# Altium PCB MPPT-old.PcbDoc
Units mil, origin at the board's own origin, x right, y up, seen from the top; angles counter-clockwise.
Board outline 5875 x 4665 mil, 4 copper layers (PWR_GND, PWR, SIGNAL, SMALL_SIGNAL), stack 23.712 mil thick; 136 components, 91 nets, 478 pads, 0 vias.
Unrouted connection lines stored in the file: 276.
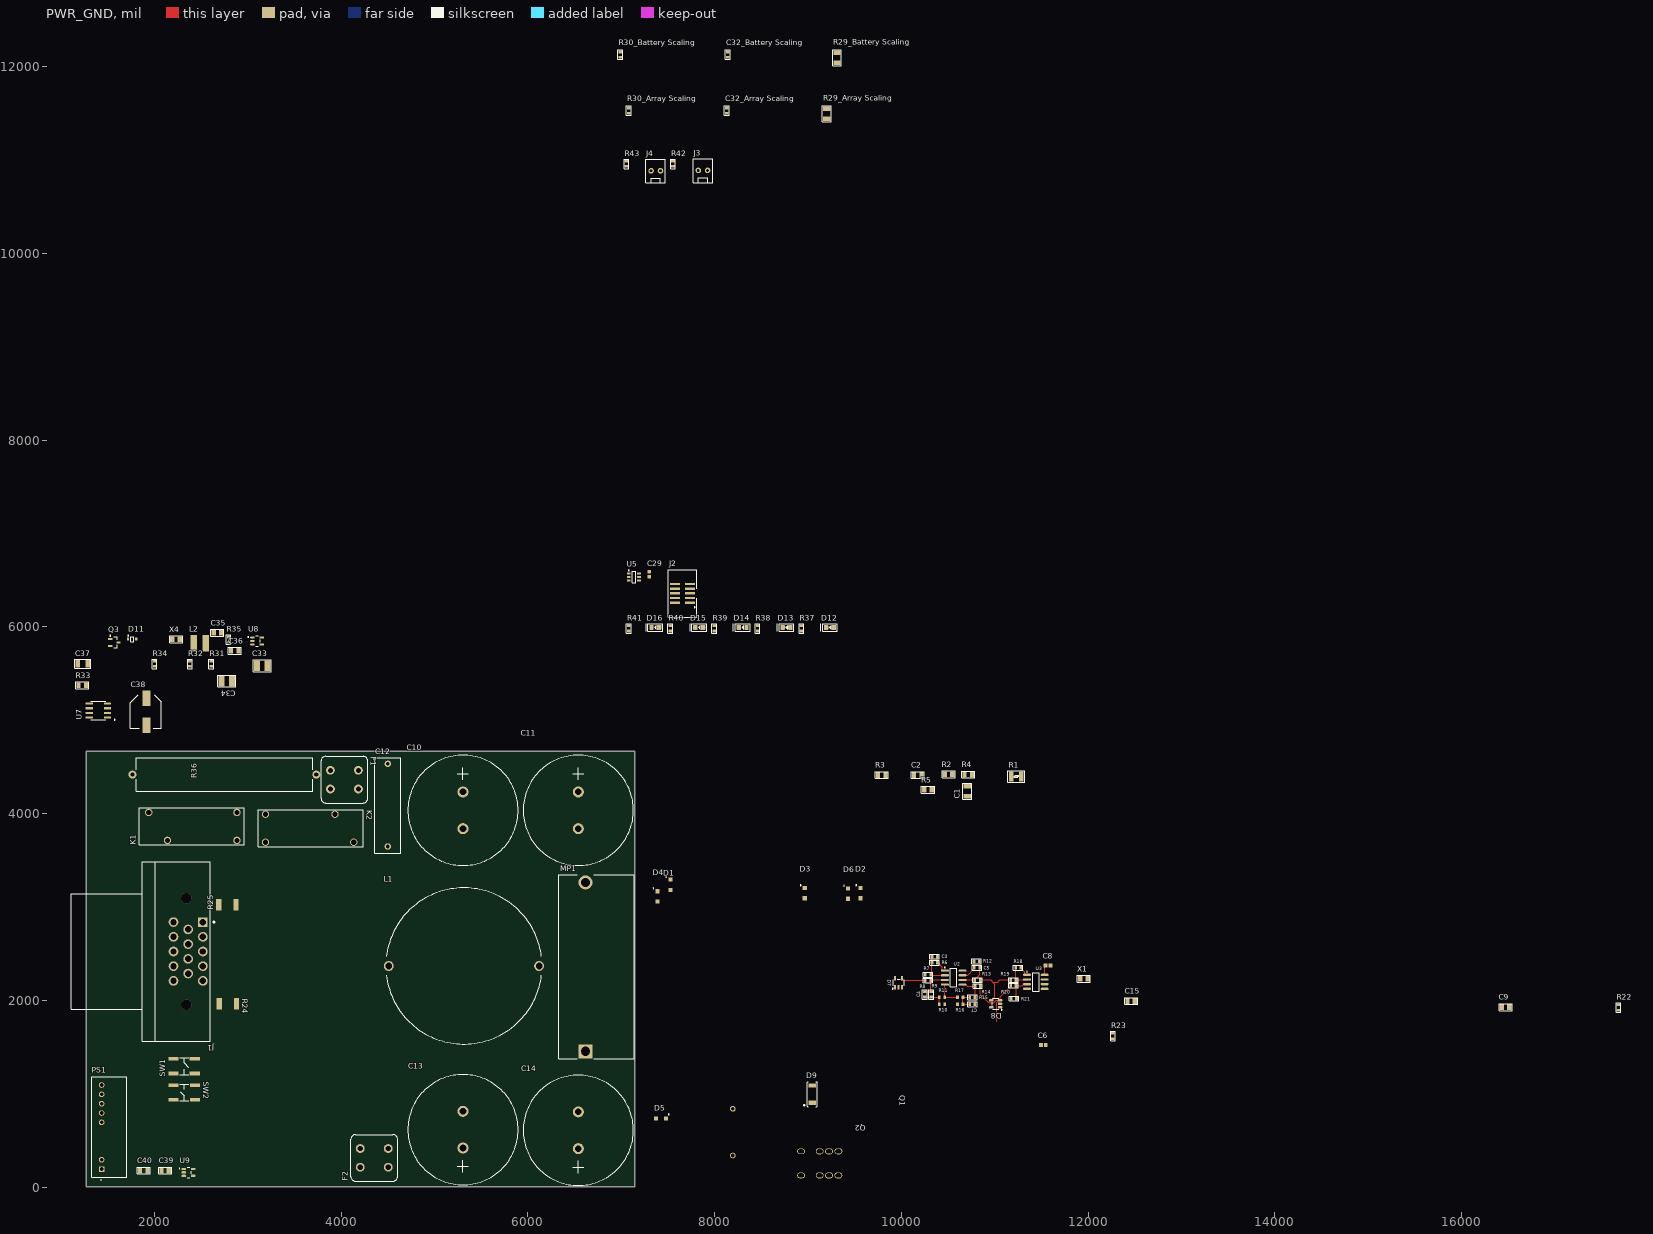
[diagram p0: PWR_GND view]
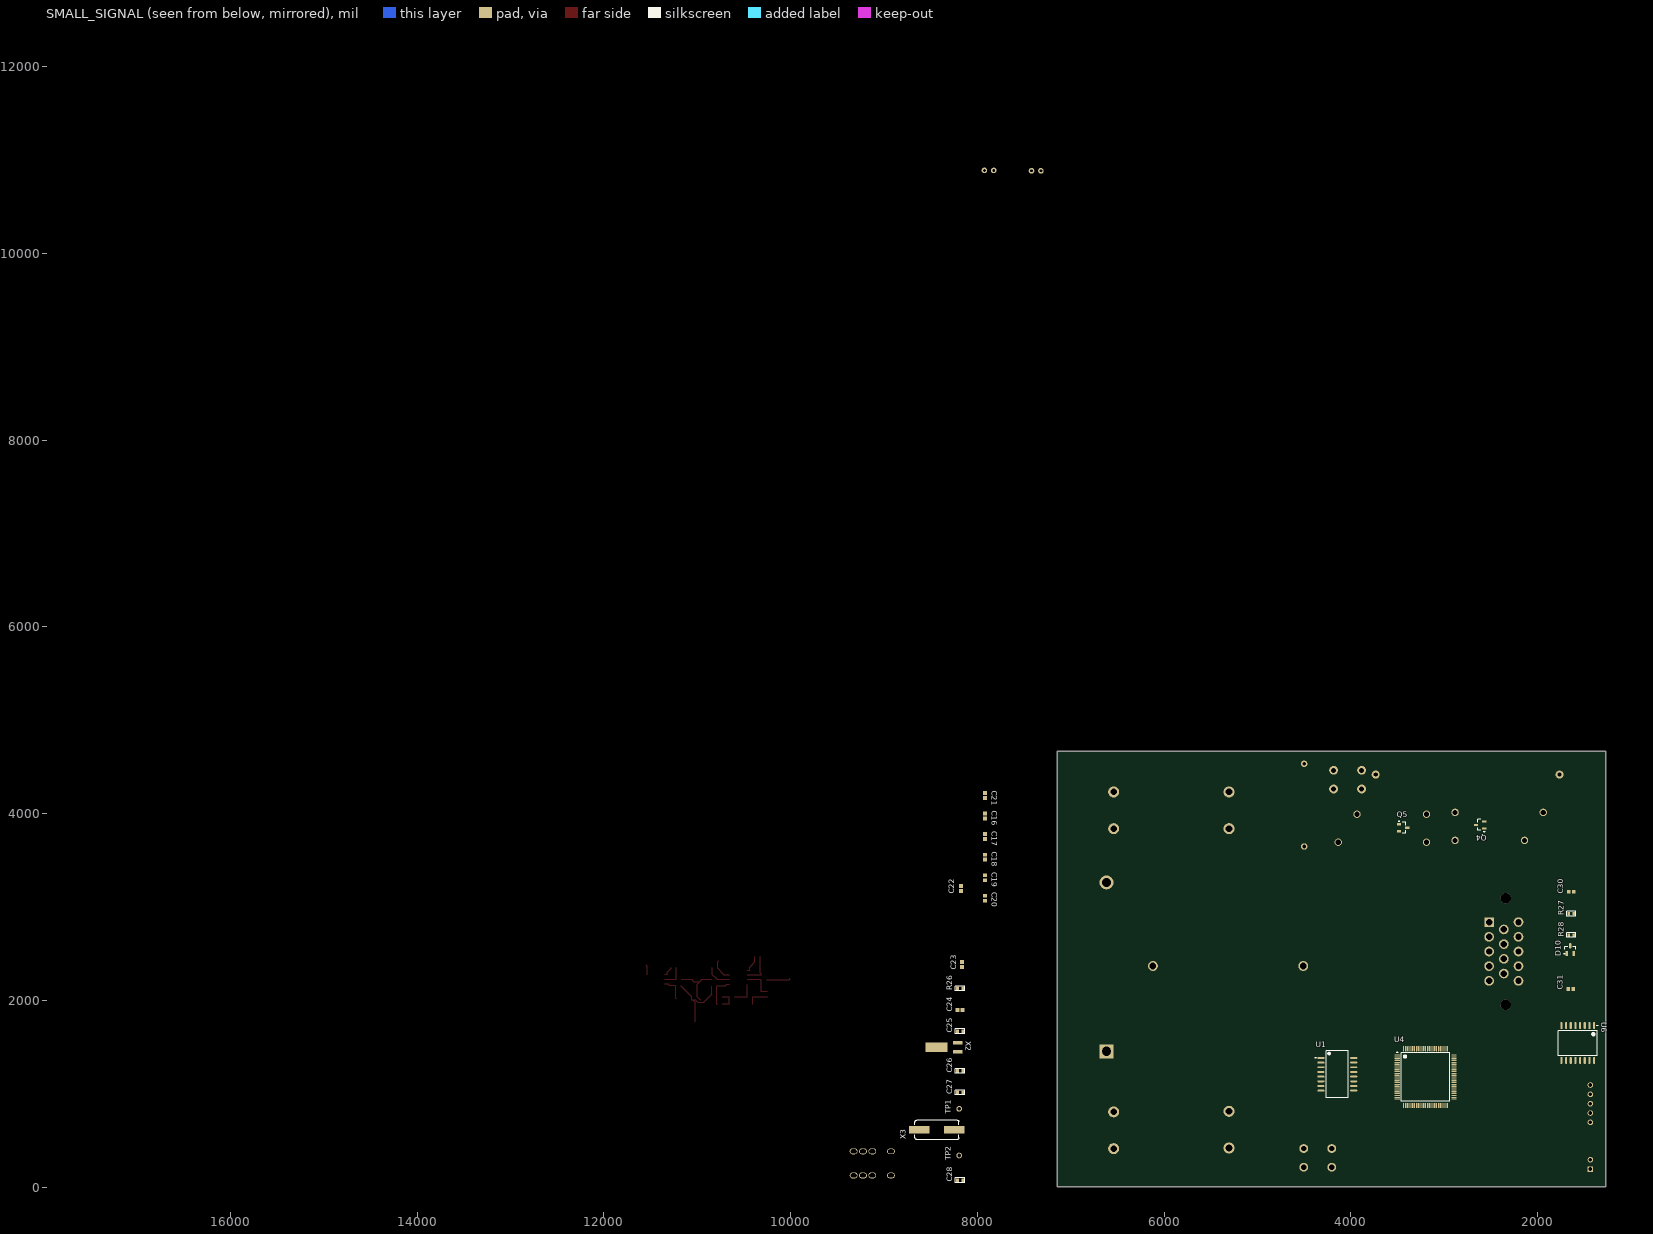
[diagram p1: SMALL_SIGNAL view, seen from below]
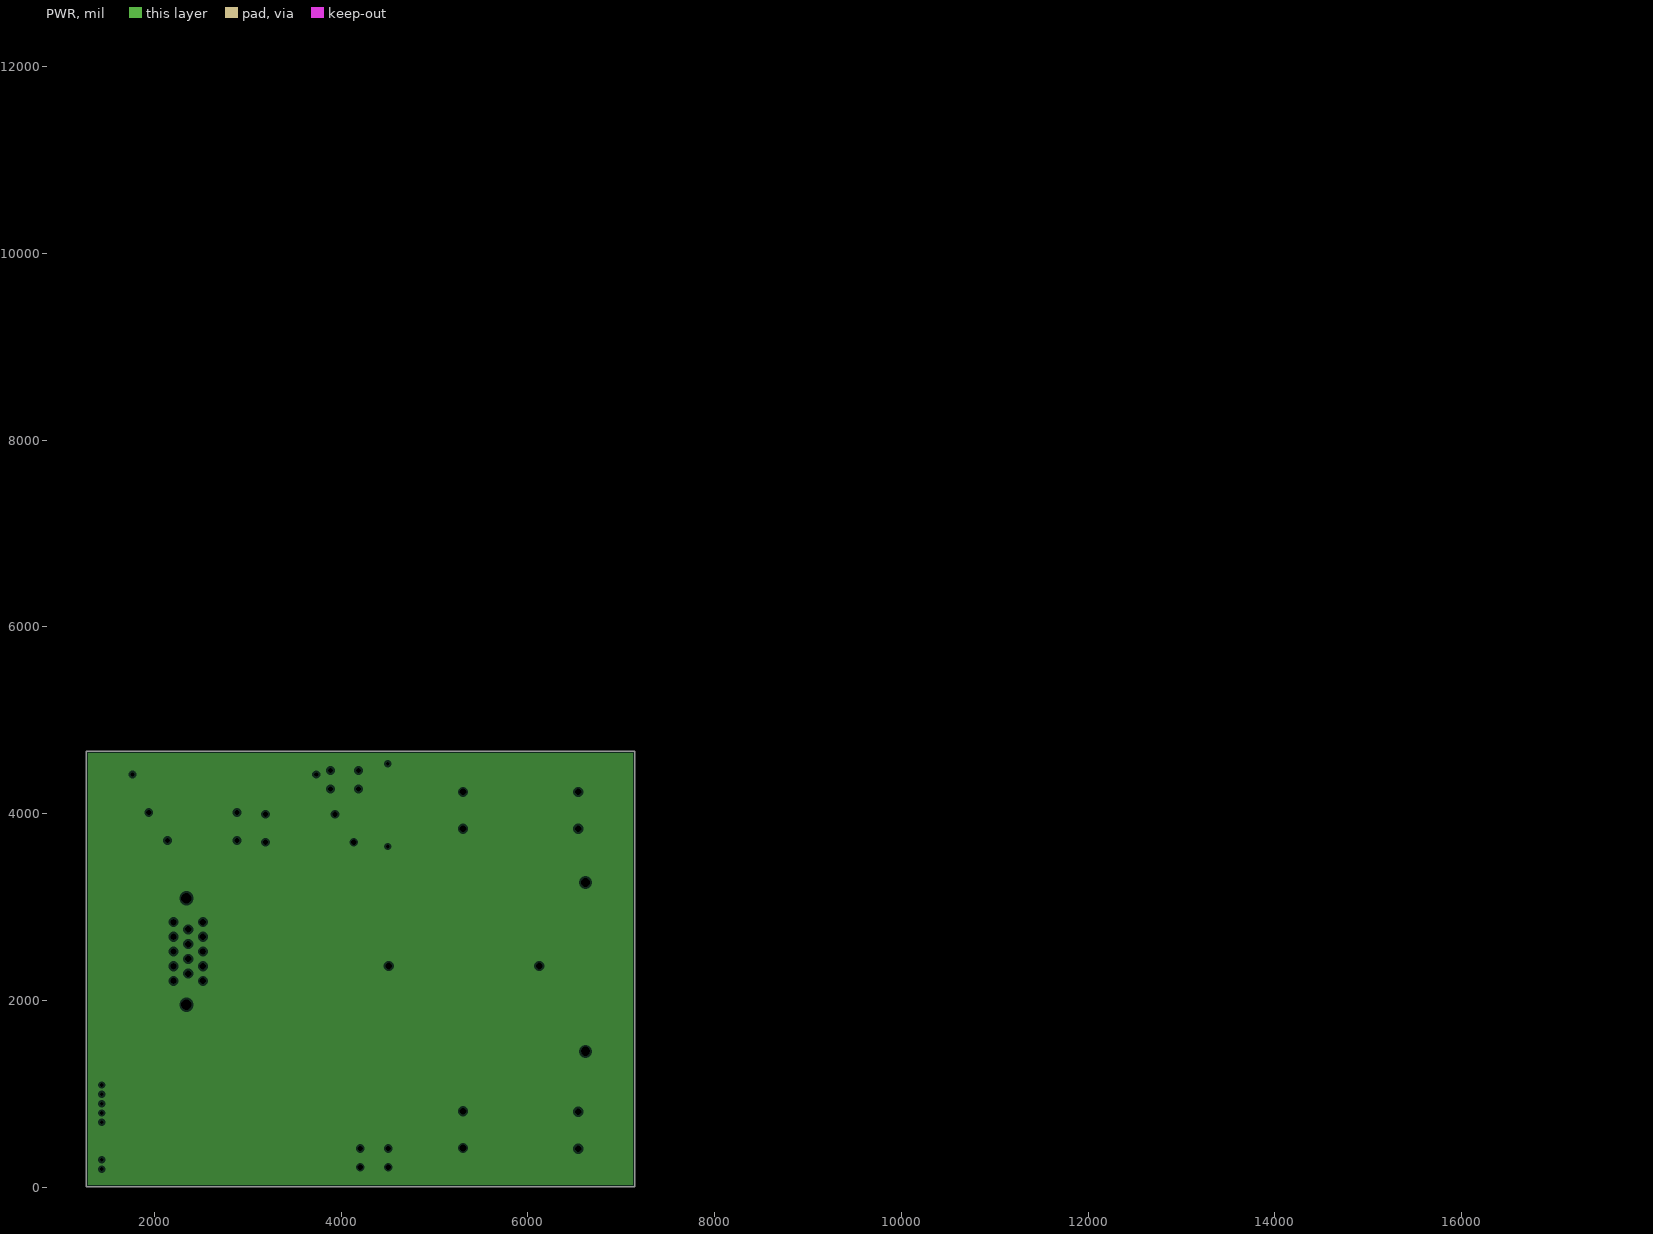
[diagram p2: PWR, clearances drawn from the general rule]

## Layer stack, top to bottom
Top Solder: solder mask 0.4, Solder Resist, Dk 3.5
PWR_GND: signal copper 1.378
Dielectric 2: prepreg 2.8, PP-006, Dk 4.1
PWR: plane copper 1.378
Dielectric 3: prepreg 2.8, PP-006, Dk 4.1
SIGNAL: signal copper 1.378
Dielectric 1: dielectric 12.6, FR-4, Dk 4.8
SMALL_SIGNAL: signal copper 1.378
Bottom Solder: solder mask 0.4, Solder Resist, Dk 3.5

## Board outline
1270,5 1270,4670 7145,4670 7145,5

## Design rules (kind name [scope] priority, off if disabled: settings)
Clearance [All] p1: gap=10 ignorepadtopadclearanceinfootprint=FALSE except(0: Arc-Hole Track-Hole SMDPad-Hole THPad-Hole Via-Hole Fill-Hole Poly-Hole Region-Hole Text-Hole)
Height [All] p1: minheight=0 maxheight=10000 prefheight=500
PlaneClearance [All] p1: clearance=20
PlaneConnect [All] p1: planeconnectstyle=Relief reliefexpansion=20 reliefentries=4 reliefconductorwidth=10 reliefairgap=10
PolygonConnect [All] p1: connectstyle=Relief reliefconductorwidth=10 reliefentries=4 polygonreliefangle="90 Angle" airgapwidth=10
RoomDefinition "Shunt Measurment" [InComponentClass('Shunt Measurment')] p1: confinementstyle=ConfineIn formatcopy=TRUE lockcomponents=FALSE outline 9505,1365 12595,1365 12595,2880 9505,2880
RoomDefinition U_temp_measure [InComponentClass('U_temp_measure')] p2: confinementstyle=ConfineIn formatcopy=TRUE lockcomponents=FALSE outline 7045,10720 8005,10720 8005,11095 7045,11095
RoomDefinition U_JTAG [InComponentClass('U_JTAG')] p3: confinementstyle=ConfineIn formatcopy=TRUE lockcomponents=FALSE outline 7045,6095 7820,6095 7820,6725 7045,6725
RoomDefinition U_indicator_leds [InComponentClass('U_indicator_leds')] p4: confinementstyle=ConfineIn formatcopy=TRUE lockcomponents=FALSE outline 7045,5925 9325,5925 9325,6145 7045,6145
RoomDefinition "Battery Scaling" [InComponentClass('Battery Scaling')] p5: confinementstyle=ConfineIn formatcopy=TRUE lockcomponents=FALSE outline 6955,12000 10370,12000 10370,12310 6955,12310
RoomDefinition "Array Scaling" [InComponentClass('Array Scaling')] p6: confinementstyle=ConfineIn formatcopy=TRUE lockcomponents=FALSE outline 7045,11400 10160,11400 10160,11710 7045,11710
RoutingVias [All] p1: holewidth=28 width=50 viastyle="Through Hole" minholewidth=28 minwidth=50 maxholewidth=28 maxwidth=50
SolderMaskExpansion [All] p1: expansion=4 istentingtop=FALSE
Width [All] p1: maxlimit=10 minlimit=10 preferedwidth=10
27 further rules are at their usual default settings.

## Classes and differential pairs
channel class Voltage_Measurment: "Array Scaling" "Battery Scaling"
net class HV: +3.3 +15 Array+ Bootrstrap NetC1_1 NetC2_1 NetC9_1 NetC9_2 NetC10_2 NetC13_2 NetC15_2 NetD1_1 NetD2_1 NetD2_2 NetD3_1 NetD4_1 NetD4_2 NetD5_1 NetD6_1 NetF1_2 NetJ1_2 NetK1_4 NetR2_1 NetU1_6 PWR_GND
component class U_temp_measure: J3 J4 R42 R43
component class U_Power: C9 C10 C11 C12 C13 C14 C15 D9 F1 F2 L1 MP1 Q1 Q2 R22 R23 R24 R25 X1
component class U_MicroController: C16 C17 C18 C19 C20 C21 C22 C23 C24 C25 C26 C27 C28 R26 SW1 SW2 TP1 TP2 U4 X2 X3
component class U_LVRegulation: C33 C34 C35 C36 C37 C38 C39 C40 D11 L2 PS1 Q3 R31 R32 R33 R34 R35 U7 U8 U9 X4
component class U_JTAG: C29 J2 U5
component class U_indicator_leds: D12 D13 D14 D15 D16 R37 R38 R39 R40 R41
component class U_hv_Isolation: K1 K2 Q4 Q5 R36
component class U_GateDriver: C1 C2 D1 D2 D3 D4 D5 D6 R1 R2 R3 R4 R5 U1
component class U_CanTrans: C30 C31 D10 R27 R28 U6
component class "Shunt Measurment": C3 C4 C5 C6 C7 C8 D7 D8 R6 R7 R8 R9 R10 R11 R12 R13 R14 R15 R16 R17 R18 R19 R20 R21 U2 U3
component class MPPT: J1
component class "Battery Scaling": "C32_Battery Scaling" "R29_Battery Scaling" "R30_Battery Scaling"
component class "Array Scaling": "C32_Array Scaling" "R29_Array Scaling" "R30_Array Scaling"

## Components (designator, comment, footprint, x,y, rotation, side; value= is the part's Value field where it differs from the comment)
C1 "C1206X334K5RACAUTO" 1206_CAPACITOR 10705,4240 r90 top value=330nF
C2 "CAP 0805 1uF 50V" 0805_Capacitor 10175,4415 r0 top value=1µF
C3 "Capacitor 0603 820pF 50V 10%" 0603_CAPACITOR 10355,2470 r180 top value=820pF
C4 "Capacitor 0603 820pF 50V 10%" 0603_CAPACITOR 10250,2065 r270 top value=820pF
C5 "Capacitor 0603 820pF 50V 10%" 0603_CAPACITOR 10810,2350 r0 top value=820pF
C6 "Capacitor 0.1uF +/-10% 50 V 0603" CAPC1608X90X40ML10T20 11520,1525 r0 top value=100nF
C7 "Capacitor 0603 820pF 50V 10%" 0603_CAPACITOR 10760,1960 r180 top value=820pF
C8 "Capacitor 0.1uF +/-10% 50 V 0603" CAPC1608X90X40ML10T20 11570,2375 r0 top value=100nF
C9 "C0805C681K2RAC7800" 0805_Capacitor 16470,1930 r0 top value=680pF
C10 "381LR681M200K022" 381LR681M200J032-Footprint-1 5305,3840 r90 top value=680µF
C11 "381LR681M200K022" 381LR681M200J032-Footprint-1 6540,3840 r90 top value=680µF
C12 "684MMR400K" 684MMR400K-Footprint-1 4500,3649.17 r90 top value=680nF
C13 "381LR681M200K022" 381LR681M200J032-Footprint-1 5305,813.7 r270 top value=680µF
C14 "381LR681M200K022" 381LR681M200J032-Footprint-1 6540,807.09 r270 top value=680µF
C15 "C0805C681K2RAC7800" 0805_Capacitor 12460,1995 r0 top value=680pF
C16 "Capacitor 0.1uF +/-10% 50 V 0603" CAPC1608X90X40ML10T20 7920,3975 r270 bottom value=100nF
C17 "Capacitor 0.1uF +/-10% 50 V 0603" CAPC1608X90X40ML10T20 7920,3755 r270 bottom value=100nF
C18 "Capacitor 0.1uF +/-10% 50 V 0603" CAPC1608X90X40ML10T20 7920,3535 r270 bottom value=100nF
C19 "Capacitor 0.1uF +/-10% 50 V 0603" CAPC1608X90X40ML10T20 7920,3315 r270 bottom value=100nF
C20 "Capacitor 0.1uF +/-10% 50 V 0603" CAPC1608X90X40ML10T20 7920,3095 r270 bottom value=100nF
C21 "Capacitor 0.1uF +/-10% 50 V 0603" CAPC1608X90X40ML10T20 7920,4195 r270 bottom value=100nF
C22 "Capacitor 0.1uF +/-10% 50 V 0603" CAPC1608X90X40ML10T20 8175,3200 r90 bottom value=100nF
C23 "Capacitor 0.1uF +/-10% 50 V 0603" CAPC1608X90X40ML10T20 8165,2385 r90 bottom value=100nF
C24 "Capacitor 0.1uF +/-10% 50 V 0603" CAPC1608X90X40ML10T20 8185,1900 r0 bottom value=100nF
C25 "Capacitor 12pF 0603 50V 10%" 0603_CAPACITOR 8185,1670 r0 bottom value=12pF
C26 "Capacitor 12pF 0603 50V 10%" 0603_CAPACITOR 8185,1245 r0 bottom value=12pF
C27 "Capacitor 18pF 0603 50V 10%" 0603_CAPACITOR 8185,1015 r0 bottom value=18pF
C28 "Capacitor 18pF 0603 50V 10%" 0603_CAPACITOR 8185,75 r0 bottom value=18pF
C29 "Capacitor 0.1uF +/-10% 50 V 0603" CAPC1608X90X40ML10T20 7300,6565 r90 top value=100nF
C30 "Capacitor 0.1uF +/-10% 50 V 0603" CAPC1608X90X40ML10T20 1640,3165 r0 bottom value=100nF
C31 "Capacitor 0.1uF +/-10% 50 V 0603" CAPC1608X90X40ML10T20 1645,2125 r0 bottom value=100nF
"C32_Array Scaling" "Capacitor 13pF 0603 5% 50V" 0603_CAPACITOR 8130,11530 r90 top value=13pF (schematic designator C32)
"C32_Battery Scaling" "Capacitor 13pF 0603 5% 50V" 0603_CAPACITOR 8140,12130 r90 top value=13pF (schematic designator C32)
C33 "CAP 1210 100uf 6.3V" 1210_Capacitor 3155,5585 r0 top value=100µF
C34 "CAP 1210 100uf 6.3V" 1210_Capacitor 2775,5420 r180 top value=100µF
C35 "CAP 0805 1uF 50V" 0805_Capacitor 2675,5940 r0 top value=1µF
C36 "CAP 0805 1uF 50V" 0805_Capacitor 2860,5745 r0 top value=1µF
C37 "CL31A476MPHNNNE" 1206_CAPACITOR 1232.48,5605 r0 top value=47µF
C38 "A768KE227M1DLAS029" A768KE227M1DLAS029-Footprint-1 1915,4950 r90 top value=220µF
C39 "CAP 0805 1uF 50V" 0805_Capacitor 2115,180 r0 top value=1µF
C40 "CAP 0805 1uF 50V" 0805_Capacitor 1885,180 r0 top value=1µF
D1 "PMEG4010ER,115" PMEG4010ER,115-Footprint-1 7525,3185 r90 top
D2 "PMEG4010ER,115" PMEG4010ER,115-Footprint-1 9560,3095 r90 top
D3 "PMEG4010ER,115" PMEG4010ER,115-Footprint-1 8965,3095 r90 top
D4 "PMEG4010ER,115" PMEG4010ER,115-Footprint-1 7390,3060 r90 top
D5 "PMEG4010ER,115" PMEG4010ER,115-Footprint-1 7370,735 r0 top
D6 "PMEG4010ER,115" PMEG4010ER,115-Footprint-1 9430,3090 r90 top
D7 "D1213A-02SM-7" SOT23-5 9970,2190 r90 top
D8 "D1213A-02SM-7" SOT23-5 11010,1965 r180 top
D9 "SMB6F170AY" SMB6F170AY-Footprint-1 9045,907.32 r90 top
D10 "ESDCAN24-2BLY" SOT23-3 1650.16,2545 r90 bottom
D11 "NSR0340HT1G" ONSC-SOD-323-2-477-02_V 1762.48,5870 r0 top
D12 "D_LED_0805_BLUE" 0805_LED_Blue 9235,5995 r0 top value=BLUE
D13 "LED_0805_RED" 0805_LED_Red 8770,5995 r0 top value=RED
D14 "LED_0805_GREEN" 0805_LED_Green 8300,5995 r0 top value=GREEN
D15 "D_LED_0805_YELLOW" 0805_LED_Yellow 7835,5995 r0 top value=Amber
D16 "D_LED_0805_YELLOW" 0805_LED_Yellow 7365,5995 r0 top value=Amber
F1 "F_3101.0040" F_FPG4 4035,4365 r270 top value=?
F2 "F_3101.0040" F_FPG4 4355,315 r90 top value=?
J1 "776266-1" TE_776266-1 2362.48,2525 r270 top
J2 "3221-10-0300-00" 3221-10-0300-00-Footprint-1 7735,6260 r90 top
J3 "J_640454-2" 640454-2 7875,10890 r0 top
J4 "J_640454-2" 640454-2 7370,10885 r0 top
K1 "J117F1AS12VDC" J117F1AS12VDC-Footprint-1 2884.09,4015 r180 top
K2 "J117F1AS12VDC" J117F1AS12VDC-Footprint-1 3190.91,3695 r0 top
L1 "ATCA-08-471M-H" IND_ATCA-08-471M-H 5315,2370 r0 top value=470µH
L2 "744773122" WE-PD2-S 2487.48,5825 r0 top value=22µH
MP1 "C247-050-2AE" FP-C247-050-2AE-MFG 6735,2360 r90 top
PS1 "PRQ3W-Q48-D55-S" CONV_PRQ3W-Q48-D55-S 1515.71,645.79 r90 top
Q1 "UJ4SC075006K4S" "T_TO_247_4L_UNITEDSIC - Cloned" 8925,385 r0 top
Q2 "UJ4SC075006K4S" "T_TO_247_4L_UNITEDSIC - Cloned" 8925,126.85 r0 top
Q3 "NVTR4503NT1G" SOT-23_N 1572.48,5835 r0 top
Q4 "NVTR4503NT1G" SOT-23_N 2615,3880 r0 bottom
Q5 "NVTR4503NT1G" SOT-23_N 3440,3850 r180 bottom
R1 "R_CRCW12102R70JNEA" 1210_Resistor 11230,4400 r0 top value=2.7
R2 "RMCF0805JT39R0" 0805_Resistor 10505,4425 r0 top value=39
R3 "CRCW08054R02FKEA" 0805_Resistor 9790,4415 r0 top value=4.02
R4 "RMCF0805JT39R0" 0805_Resistor 10715,4420 r0 top value=39
R5 "CRCW08054R02FKEA" 0805_Resistor 10285,4255 r0 top value=4.02
R6 "Res 0603 100K ohm 1%" 0603_RESISTOR 10355,2405 r0 top value=100k
R7 "RMCF0603FT2K43" 0603_RESISTOR 10285,2275 r0 top value=2.43k
R8 "RMCF0603FT2K43" 0603_RESISTOR 10285,2215 r0 top value=2.43k
R9 "Res 0603 100K ohm 1%" 0603_RESISTOR 10320,2065 r90 top value=100k
R10 "Resistor 0R +/- 5% 0603 100 mW" RESC1608X55X25ML10T15 10435,1960 r180 top value=0
R11 "Resistor 0R +/- 5% 0603 100 mW" RESC1608X55X25ML10T15 10435,2035 r180 top value=0
R12 "Res 0603 100K ohm 1%" 0603_RESISTOR 10805,2420 r180 top value=100k
R13 "RMCF0603FT2K43" 0603_RESISTOR 10815,2220 r180 top value=2.43k
R14 "RMCF0603FT2K43" 0603_RESISTOR 10817.44,2155 r180 top value=2.43k
R15 "Res 0603 100K ohm 1%" 0603_RESISTOR 10760,2035 r0 top value=100k
R16 "Resistor 0R +/- 5% 0603 100 mW" RESC1608X55X25ML10T15 10630,1960 r180 top value=0
R17 "Resistor 0R +/- 5% 0603 100 mW" RESC1608X55X25ML10T15 10630,2035 r180 top value=0
R18 "Res 0603 100K ohm 1%" 0603_RESISTOR 11250,2350 r0 top value=100k
R19 "RC0603FR-074K99L" 0603_RESISTOR 11200,2220 r0 top value=4.99k
R20 "RC0603FR-074K99L" 0603_RESISTOR 11200,2160 r0 top value=4.99k
R21 "Res 0603 100K ohm 1%" 0603_RESISTOR 11205,2020 r0 top value=100k
R22 "R 0603 10 ohm 1%" 0603_RESISTOR 17680,1925 r90 top value=10
R23 "R 0603 10 ohm 1%" 0603_RESISTOR 12265,1620 r90 top value=10
R24 "WSLT2010R0100FEB18" WSLT2010R0100FEB18-Footprint-1 2695,1965 r0 top value=10m
R25 "WSLT2010R0100FEB18" WSLT2010R0100FEB18-Footprint-1 2875,3025 r180 top value=10m
R26 "Res 0603 100K ohm 1%" 0603_RESISTOR 8185,2130 r0 bottom value=100k
R27 "Res 0603 22.1 ohm 1%" 0603_RESISTOR 1640,2930 r0 bottom value=22
R28 "Res 0603 22.1 ohm 1%" 0603_RESISTOR 1640,2700 r0 bottom value=22
"R29_Array Scaling" "Resistor 200K 1206 1% 1/4W" 1206_RESISTOR 9200,11495 r90 top value=200k (schematic designator R29)
"R29_Battery Scaling" "Resistor 200K 1206 1% 1/4W" 1206_RESISTOR 9310,12095 r90 top value=200k (schematic designator R29)
"R30_Array Scaling" "Resistor 4.22k 0603 0.1W 1%" 0603_RESISTOR 7080,11530 r90 top value=4.22k (schematic designator R30)
"R30_Battery Scaling" "Resistor 4.22k 0603 0.1W 1%" 0603_RESISTOR 6990,12130 r90 top value=4.22k (schematic designator R30)
R31 "Res 0603 22.1K ohm 1%" 0603_RESISTOR 2610,5605 r90 top value=22.1k
R32 "Res 0603 6.81K ohm 1%" 0603_RESISTOR 2380,5605 r90 top value=6.81k
R33 "R_RUT2012FR100CS" 0805_Resistor 1227.48,5375 r0 top value=0.1
R34 "RT0603FRE0791KL" 0603_RESISTOR 2002.48,5605 r90 top value=91k
R35 "Res 0603 10K ohm 1%" 0603_RESISTOR 2795,5865 r90 top value=10k
R36 "SQPW10220RJ" R_Res_Axial_SQP_THRU 2750,4420 r180 top value=220
R37 "Res 0603 1K ohm 1%" 0603_RESISTOR 8930,5985 r90 top value=1k
R38 "Res 0603 1K ohm 1%" 0603_RESISTOR 8460,5985 r90 top value=1k
R39 "Res 0603 1K ohm 1%" 0603_RESISTOR 7995,5985 r90 top value=1k
R40 "Res 0603 1K ohm 1%" 0603_RESISTOR 7525,5985 r90 top value=1k
R41 "Res 0603 1K ohm 1%" 0603_RESISTOR 7080,5985 r90 top value=1k
R42 "Res 0603 10K ohm 1%" 0603_RESISTOR 7555,10960 r90 top value=10k
R43 "Res 0603 10K ohm 1%" 0603_RESISTOR 7055,10960 r90 top value=10k
SW1 "SW_TACT_SWITCH_6x6" TACT_SWITCH_6x6_J-LEAD 2319.17,1296.26 r180 top
SW2 "SW_TACT_SWITCH_6x6" TACT_SWITCH_6x6_J-LEAD 2320,1015 r0 top
TP1 "TEST POINT PC MINI .040\"D BLACK" "TEST POINT 0.040\" BLACK" 8195,840 r90 bottom
TP2 "TEST POINT PC MINI .040\"D WHITE" "TEST POINT 0.040\" WHITE" 8195,340 r90 bottom
U1 "ADUM4221-2BRIZ-RL" FP-RI-16-2-IPC_C 4145,1210 r180 bottom
U2 "AD8602ARZ" ADI-R-8_N 10560,2245 r0 top
U3 "AD8602ARZ" ADI-R-8_N 11440,2200 r0 top
U4 "STM32G473VET6" TSQFP50P1600X1600X160-100N 3200,1180 r180 bottom
U5 "U_ESDA6V1-5SC6Y" ESDA6V1-5SC6Y 7135,6535 r0 top
U6 "ADM3050EBRWZ" SOIC127P1030X265-16N 1570,1545 r270 bottom
U7 "MAX770ESA" SOIC127P600X175-8N 1400,5105 r180 top
U8 "LP5907MFX-3.0/NOPB" SOT95P280X145-5N 3100,5850 r0 top
U9 "LP5907MFX-3.0/NOPB" SOT95P280X145-5N 2365,160 r0 top
X1 "0805 FERRITE" 0805_Resistor 11955,2235 r0 top
X2 "AB26TRB-32.768KHZ-T" X_2.1mm_RADIAL_CRYSTAL 8436.38,1499.21 r180 bottom
X3 "ABLS-8.000MHZ-K4T" ABLS-8.000MHZ-K4T-Footprint-1 8246,615 r0 bottom
X4 "0805 FERRITE" 0805_Resistor 2232.48,5870 r0 top
